# Allegro board Single PMT Data AcquisitionV_3P3.brd (continued)
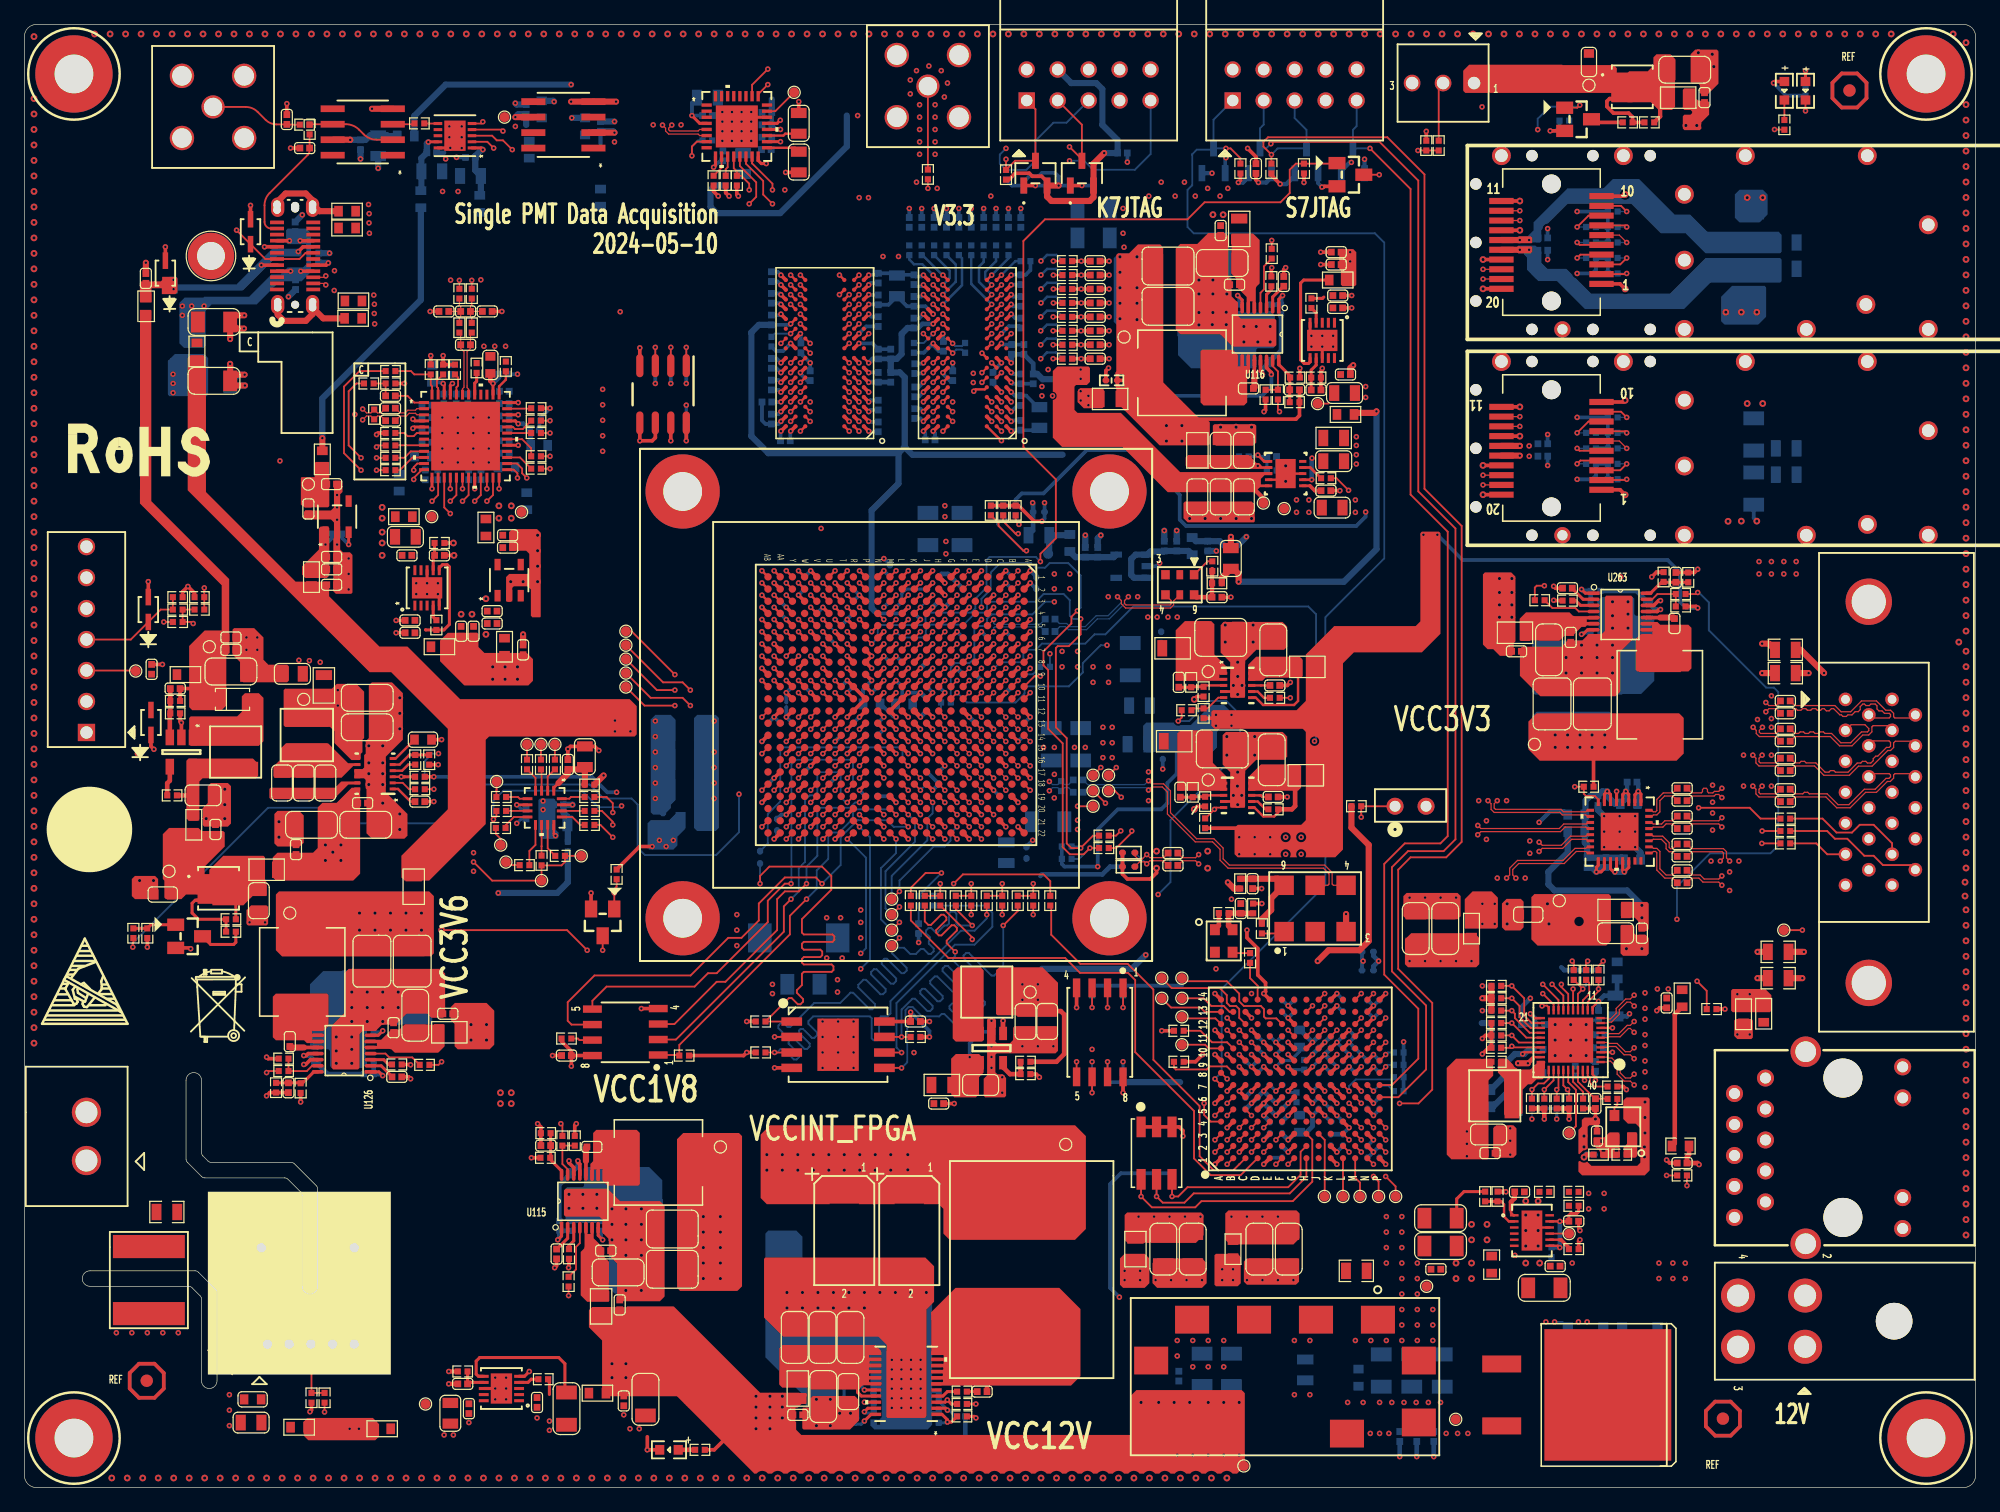
[diagram p0: board, top side]
## Routing (per net, layer and track width the routed paths; a pad name or vN(x,y) marks a point on that pad's centre or on a via; arc(x,y) is an arc through that point) (continued)
FPGA_SFP2_TX_N: length 51.6
  TOP w0.102: P4.19 v1(119.61,82.23) ; U1.B1 v1(81.48,75.19)
  ART08 w0.102: v1(81.48,75.19) 81.48,74.9 81.58,74.79 82.86,74.79 82.99,74.93 83.24,74.93 84.16,75.84 88.86,75.84 93.56,80.54 102.13,80.54 105.06,83.47 113,83.47 116.04,86.51 119.93,86.51 121,85.44 121,82.9 120.53,82.43 119.81,82.43 v1(119.61,82.23)
FPGA_SFP2_TX_P: length 51.4
  TOP w0.102: P4.18 v1(119.61,83.03) ; U1.B2 v1(81.48,74.19)
  ART08 w0.102: v1(81.48,74.19) 81.48,74.49 81.58,74.59 82.92,74.59 82.99,74.52 83.41,74.52 84.33,75.44 89.03,75.44 93.73,80.14 102.3,80.14 105.23,83.07 106.16,83.07 106.3,82.93 106.57,82.93 106.7,83.07 106.97,83.07 107.11,82.93 107.38,82.93 107.52,83.07 107.79,83.07 107.92,82.93 108.19,82.93 108.33,83.07 108.6,83.07 108.73,82.93 109.01,82.93 109.14,83.07 113.17,83.07 113.26,83.16 113.51,83.16 113.67,83.32 113.67,83.57 113.83,83.73 114.09,83.73 114.25,83.89 114.25,84.15 114.41,84.31 114.66,84.31 114.82,84.47 114.82,84.72 114.98,84.88 115.24,84.88 115.4,85.04 115.4,85.3 115.56,85.46 115.81,85.46 115.97,85.62 115.97,85.87 116.2,86.11 119.76,86.11 120.59,85.27 120.59,83.07 120.36,82.83 119.81,82.83 v1(119.61,83.03)
FPGA_SFP2_VCCR: length 1.5
  TOP w0.508: P4.15 v1(122.63,85.43)
  vias: v1(123.39,85.43)
FPGA_SFP2_VCCT: length 1.5
  TOP w0.508: P4.16 v1(122.63,84.63)
  vias: v1(123.4,84.58)
FPGA_TCK: length 60.7
  TOP w0.152: v1(80.49,108.94) R456.2 81.24,108.81 D2.3 82.91,113.04 J1.1 ; U1.K7 v1(73.48,69.19)
  ART03 w0.102: v1(83.44,90.3) 83.03,89.89 83.03,89.31 83.62,88.72 83.62,82.47 81.29,80.14 81.1,80.14 80.19,79.23 80.19,76.19 79.65,75.65 79.65,74.83 79.21,74.38 79.21,74.08 78.72,73.59 77.31,73.59 76.87,73.14 76.87,72.03 76.64,71.8 73.32,71.8 73.08,71.56 73.08,69.54 73.43,69.19 v1(73.48,69.19)
  ART08 w0.102: v1(83.44,90.3) 83.82,90.68 84.2,90.68 85.24,91.72 85.24,103.43 82.47,106.2 82.47,108.03 81.56,108.94 v1(80.49,108.94)
FPGA_TDI: length 60.2
  TOP w0.152: U1.K6 v1(73.48,70.19)
  ART03 w0.102: v1(73.48,70.19) 73.49,70.19 73.91,70.61 73.91,71.48 74.02,71.59 76.98,71.59 77.08,71.69 77.08,72.48 77.18,72.59 77.72,72.59 78.45,73.31 78.74,73.31 79.42,73.99 79.42,74.28 79.87,74.74 79.87,75.58 80.59,76.3 80.59,79.03 81.3,79.74 82.9,79.74 83.35,80.19 83.65,80.19 84.06,80.6 84.06,88.92 v1(83.44,89.53)
  ART08 w0.102: v1(85.7,108.81) 85.65,108.77 85.65,91.55 83.63,89.53 v1(83.44,89.53)
  BOTTOM w0.152: v1(85.7,108.81) D5.3 86.89,108.81 87.63,108.08 91.06,108.08 92.35,109.37 J1.9
FPGA_TDO: length 55.6
  TOP w0.152: D3.3 86.72,108.94 ; 86.72,108.94 v1(85.7,109.96) ; 86.72,108.94 86.72,111.77 J1.3 ; U1.J6 v1(74.48,70.19)
  ART03 w0.102: v1(74.48,70.19) 74.9,70.61 75.77,70.61 75.95,70.8 77.11,70.8 77.64,71.33 77.64,71.72 77.87,71.95 77.87,72.44 78.53,73.1 78.83,73.1 79.63,73.9 79.63,74.2 80.08,74.65 80.08,75.49 80.87,76.28 80.87,78.92 81.42,79.46 83.01,79.46 83.42,79.86 83.71,79.86 84.34,80.49 84.34,89.51 v1(84.31,89.53)
  ART08 w0.102: v1(85.7,109.96) 86.61,109.04 86.61,107.7 86.09,107.17 86.09,91.31 v1(84.31,89.53)
FPGA_TIMING_LVDS_EN: length 57.1
  TOP w0.152: v1(127.13,57.48) R2135.2 127.87,56.9 128.06,56.72 128.78,56.72 129.06,56.44 U271.8 ; U1.F14 v1(77.48,61.19)
  ART03 w0.102: v1(77.48,61.19) 77.48,60.95 77.98,60.45 77.98,59.99 78.18,59.8 80.64,59.8 80.92,60.08 82.04,60.08 83.3,61.35 87.01,61.35 87.68,60.68 94.76,60.68 96.16,59.28 98.66,59.28 99.29,59.92 99.97,59.92 100.48,59.41 121.94,59.41 123.87,57.48 v1(127.13,57.48)
FPGA_TMS: length 64.3
  TOP w0.152: U1.L6 v1(72.48,70.19)
  ART03 w0.102: v1(72.48,70.19) 72.48,70.19 72.87,70.58 72.87,72.24 73.28,72.64 75.56,72.64 75.95,73.03 75.95,73.37 76.24,73.66 77.07,73.66 77.21,73.8 77.85,73.8 77.98,73.92 77.98,74.42 78.23,74.68 79.12,74.68 79.32,74.88 79.32,75.62 79.78,76.08 79.78,79.4 80.93,80.55 81.12,80.55 83.21,82.64 83.21,88.72 82.78,89.15 82.78,90.53 v1(83.95,91.69)
  ART08 w0.102: v1(80.49,109.83) 79.88,109.22 79.88,108.46 80.26,108.08 81.53,108.08 82.06,107.55 82.06,106.04 84.84,103.26 84.84,97.07 84.88,97.03 84.88,92.12 84.45,91.69 v1(83.95,91.69)
  BOTTOM w0.152: J1.5 85.45,111.93 84.37,111.93 82.91,110.46 D4.3 82.16,108.07 R455.2 79.98,108.58 79.98,109.32 v1(80.49,109.83)
FPGA_TO_SFPGA_RESERVE0: length 82.2
  TOP w0.152: U88.M3 v1(109.63,28.52) ; U1.Y14 v1(62.48,61.19)
  ART03 w0.102: v1(109.63,28.52) 109.11,28.01 109.11,27.23 109.01,27.12 105.48,27.12 103.89,25.53 97.41,25.53 92.1,30.84 80.26,30.84 78.82,32.28 78.82,35.33 77.29,36.86 77.29,37.82 72.44,42.67 72.44,52.65 72.08,53.02 72.08,63.47 71.29,64.26 66.17,64.26 64.64,62.74 64.26,62.74 63.88,62.36 63.88,61.85 63.63,61.59 62.88,61.59 v1(62.48,61.19)
FPGA_TO_SFPGA_RESERVE1: length 80.8
  TOP w0.152: U1.W14 v1(63.48,61.19) ; U88.M2 v1(109.63,27.52)
  ART03 w0.102: v1(63.48,61.19) 64.11,61.19 64.9,61.98 64.9,62.36 66.55,64.01 71.25,64.01 71.87,63.38 71.87,50.05 72.16,49.76 72.16,42.56 76.86,37.86 76.86,36.73 78.38,35.2 78.38,31.83 79.68,30.53 92.01,30.53 97.32,25.22 104.09,25.22 104.99,26.12 108.54,26.12 109.63,27.21 v1(109.63,27.52)
FPGA_TO_SFPGA_RESERVE2: length 84.4
  TOP w0.152: U88.P2 v1(111.63,27.52) ; U1.W15 v1(63.48,60.19)
  ART03 w0.102: v1(111.63,27.52) 111.08,28.07 110.46,28.07 110.12,27.73 110.12,27.17 108.87,25.91 105.29,25.91 104.24,24.87 97.2,24.87 91.95,30.12 79.17,30.12 78,31.29 78,34.19 76.56,35.64 76.56,37.77 71.12,43.2 71.12,50.19 70.87,50.44 70.87,62.36 70.87,62.36 70.87,62.99 70.87,63 70.87,63.62 70.74,63.75 67.31,63.75 66.93,63.37 66.93,62.87 66.67,62.61 66.04,62.61 65.91,62.48 65.91,61.98 65.66,61.72 65.45,61.72 63.92,60.19 v1(63.48,60.19)
FPGA_TO_SFPGA_RESERVE3: length 77.2
  TOP w0.152: U88.N1 v1(110.63,26.52) ; U1.U15 v1(65.48,60.19)
  ART03 w0.102: v1(110.63,26.52) 109.53,25.43 105.82,25.43 104.7,24.31 96.78,24.31 91.73,29.36 77.83,29.36 77.11,30.07 77.11,32.51 75.77,33.86 75.77,37.53 70.56,42.73 70.56,48.46 69.44,49.58 69.44,60.89 68.74,61.59 67.31,61.59 67.06,61.34 67.06,61.09 66.67,60.71 66.29,60.71 65.78,60.19 v1(65.48,60.19)
FPGA_TO_SFPGA_RESERVE4: length 85.6
  TOP w0.152: U1.W16 v1(63.48,59.19) ; U88.P4 v1(111.63,29.52)
  ART03 w0.102: v1(111.63,29.52) 112.52,29.52 113.34,28.69 113.34,25.71 112.46,24.83 106.13,24.83 105.04,23.75 96.32,23.75 91.48,28.59 76.9,28.59 75.21,30.28 75.21,35.12 70,40.33 70,48.19 68.88,49.3 68.88,59.51 68.71,59.69 63.97,59.69 v1(63.48,59.19)
FPGA_TO_SFPGA_RESERVE5: length 82.6
  TOP w0.152: U88.P3 v1(111.63,28.52) ; U1.V15 v1(64.48,60.19)
  ART03 w0.102: v1(64.48,60.19) 64.99,60.71 65.79,60.71 66.04,60.96 66.04,61.34 66.29,61.59 66.67,61.59 67.06,61.98 67.06,62.51 67.35,62.8 68.96,62.8 69.72,62.04 69.72,49.7 70.84,48.58 70.84,43.09 76.21,37.72 76.21,34.76 77.55,33.43 77.55,30.89 78.69,29.74 91.87,29.74 97.03,24.59 104.47,24.59 105.59,25.71 109.14,25.71 110.49,27.05 111.81,27.05 112.06,27.3 112.06,28.08 v1(111.63,28.52)
FPGA_TO_SFPGA_RESERVE6: length 84.5
  TOP w0.152: U88.L3 v1(108.63,28.52) ; U1.T15 v1(66.48,60.19)
  ART03 w0.102: v1(108.63,28.52) 109.06,28.96 112.27,28.96 112.9,28.32 112.9,25.91 112.11,25.11 105.9,25.11 104.81,24.03 96.49,24.03 91.6,28.92 77.56,28.92 76.68,29.79 76.68,32.18 75.49,33.38 75.49,37.51 70.28,42.72 70.28,48.3 69.16,49.42 69.16,60.15 68.61,60.71 67.43,60.71 66.92,60.19 v1(66.48,60.19)
FPGA_TO_SFPGA_RESERVE7: length 92.5
  TOP w0.152: U88.L2 v1(108.63,27.52) ; U1.T16 v1(66.48,59.19)
  ART03 w0.102: v1(66.48,59.19) 66.92,59.19 67.52,58.59 67.77,58.59 67.87,58.49 67.87,53.02 67.87,53.02 67.87,49.39 69.44,47.81 69.44,40.3 73.79,35.95 73.79,30 75.95,27.84 91.29,27.84 95.94,23.19 105.39,23.19 106.47,24.27 113.09,24.27 114.09,25.27 114.09,29.84 113.03,30.91 108.3,30.91 108.12,30.73 108.12,28.02 v1(108.63,27.52)
FPGA_TO_SFPGA_RESERVE8: length 95.2
  TOP w0.152: U88.M5 v1(108.63,31.52) ; U1.Y16 v1(62.48,59.19)
  ART03 w0.102: v1(62.48,59.19) 62.99,58.67 64.64,58.67 64.77,58.8 66.17,58.8 66.29,58.67 66.67,58.67 67.08,58.27 67.08,52.81 67.44,52.45 67.44,49.35 69.16,47.62 69.16,40.28 73.34,36.1 73.34,29.43 75.31,27.46 91.16,27.46 95.71,22.91 105.5,22.91 106.59,23.99 113.45,23.99 114.47,25.02 114.47,30.94 113.29,32.12 109.23,32.12 v1(108.63,31.52)
FPGA_TO_SFPGA_RESERVE9: length 84.7
  TOP w0.152: U88.M4 v1(109.63,29.52) ; U1.R16 v1(67.48,59.19)
  ART03 w0.102: v1(67.48,59.19) 67.81,59.19 68.08,58.92 68.08,53.28 68.33,53.04 68.33,49.33 69.72,47.93 69.72,40.31 74.73,35.31 74.73,29.64 76.12,28.25 91.43,28.25 96.21,23.47 105.16,23.47 106.24,24.55 112.69,24.55 113.68,25.54 113.68,29.11 112.78,30.02 110.12,30.02 v1(109.63,29.52)
FPGA_VCC12V_BST_EN: length 92.7
  TOP w0.152: v1(8.89,44.32) 8.89,44.66 8.94,44.7 R2098.2 ; U1.F8 v1(77.48,68.19)
  ART08 w0.102: v1(58.6,56.87) 60.5,58.78 62.76,58.78 62.97,58.98 62.97,59.33 63.35,59.72 63.83,59.72 64.03,59.92 64.03,60.63 64.28,60.88 64.81,60.88 64.89,60.96 65.15,60.96 65.31,60.8 65.64,60.8 65.96,61.12 65.96,61.24 66.31,61.59 66.85,61.59 67.06,61.8 68.65,61.8 68.96,62.1 68.96,63.88 69.72,64.64 72.97,64.64 73.08,64.74 73.08,65.51 73.25,65.68 73.79,65.68 73.96,65.86 73.96,66.5 74.17,66.7 75.67,66.7 75.97,67.01 75.97,67.26 76.4,67.69 U1.F8 v1(77.48,68.19)
  BOTTOM w0.152: v1(8.89,44.32) 8.89,44.66 19.99,55.75 25.02,55.75 26.29,54.48 33.78,54.48 36.96,57.66 46.35,57.66 47.5,56.52 49.78,56.52 50.29,56.01 50.29,52.48 50.9,51.87 56.71,51.87 58.6,53.76 v1(58.6,56.87)
HV_CTRL: length 47.2
  TOP w0.152: TP143.1 R2132.2 44.33,51.32 44.04,51.03 R936.2 TP79.1 38.36,49.78 v1(36.83,51.31) ; v1(13.84,70.87) 13.72,70.99 R2119.1 R2169.2 R2034.2
  ART03 w0.102: v1(13.84,70.87) 19.94,64.77 26.54,64.77 31.75,59.56 31.75,56.39 v1(36.83,51.31)
HV_CTRL_OUT: length 49.7
  TOP w0.152: R2034.1 R2036.1 v1(14.75,73.79) ; J2.B6 23.06,101.26 22.56,100.76 J2.A6 19.76,100.76 CR1.1 17.4,103.12 v1(17.4,103.12)
  ART03 w0.102: v1(17.4,103.12) 16.76,103.76 10.16,103.76 8.89,102.49 8.89,79.63 14.73,73.79 v1(14.75,73.79)
HV_CTRL_RSV: length 9.1
  TOP w0.152: R2170.1 R2169.1 11.18,72.01 CR4.1 8.72,69.55 J60.4
INPUT_GND: length 6.3
  TOP w0.203: v2(124.13,21.08) 124.38,21.33 U112.10
  TOP w0.254: v1(127.56,21.08) 127.45,21.19 C1146.1
  TOP w0.381: v1(121.48,24.26) 121.47,24.28 R1063.2
  BOTTOM w0.381: C1140.2 v1(115.57,2.54) ; C1136.1 v1(112.78,2.54) ; C1145.1 v1(114.17,2.54)
  vias: v1(109.14,12.06) v1(110.41,12.06) v1(111.68,22.23) v1(111.68,20.95) v1(111.68,19.68) v1(111.68,18.41) v1(111.68,12.06) v1(112.95,22.23) v1(112.95,20.95) v1(112.95,19.68) v1(112.95,18.41) v1(112.95,17.14) v1(112.95,15.88) v1(112.95,14.61) v1(112.95,13.34) v1(112.95,12.06) v1(114.22,18.41) v1(114.22,17.14) v1(114.22,15.88) v1(114.22,14.61) v1(114.22,13.34) v1(114.22,12.06) v1(115.49,14.61) v1(115.49,13.34) v1(115.49,12.06) v2(123.11,23.5) v2(123.11,22.35) v2(123.11,21.08) v2(123.11,19.81) v2(123.11,18.41) v2(124.13,23.5) v2(124.13,22.35) v2(124.13,19.81) v2(124.25,18.41)
MGTAVCC: length 5
  TOP w0.305: U1.C6 v1(80.48,70.19) ; U1.G6 v1(76.48,70.19) ; U1.E6 v1(78.48,70.19) ; U1.A6 v1(82.48,70.19)
  BOTTOM w0.305: v1(76.48,70.19) 76.98,69.69 C427.1 ; C144.1 80.98,69.69 v1(80.48,70.19) ; C426.1 78.98,69.69 v1(78.48,70.19)
  vias: v1(85.09,68.58) v1(85.09,67.31) v1(86.36,68.58) v1(86.36,67.31)
MGTAVCC_PG: length 15.5
  TOP w0.152: U118.5 97.73,55.77 v1(97.58,55.63) 96.84,54.88 96.82,54.88 ; v1(103.81,64.77) R1115.1
  ART06 w0.114: v1(97.58,55.63) 97.58,60.37 98.17,60.96 99.06,60.96 102.87,64.77 v1(103.81,64.77)
MGTAVTT: length 8.3
  TOP w0.305: U1.A2 v1(82.48,74.19) ; U1.E2 v1(78.48,74.19) ; U1.C2 v1(80.48,74.19) ; U1.G2 v1(76.48,74.19)
  TOP w0.381: U1.H1 v1(75.48,74.19)
  BOTTOM w0.305: v1(80.48,74.19) 80.95,73.72 C431.1 ; C146.1 82.95,73.72 v1(82.48,74.19)
  BOTTOM w0.381: v1(75.48,74.19) 75.48,74.2 R165.2 75.21,74.93 75.74,74.93 v1(76.48,74.19) 76.98,73.69 C430.1
  vias: v1(84.45,74.93) v1(84.45,73.71) v1(85.72,74.93) v1(85.72,73.71)
MGTAVTT_PG: length 53
  TOP w0.152: v1(94.61,62.87) 94.9,63.15 R1116.2 ; U1.N17 v1(70.48,58.19)
  ART08 w0.102: v1(92.96,48.64) 91.82,49.78 86.26,49.78 83.35,52.69 82.42,52.69 80.95,54.16 80.95,54.36 80.06,55.24 80.01,55.24 79.46,55.8 78.31,55.8 77.98,56.13 77.98,56.39 77.86,56.52 77.86,56.97 76.24,58.59 73.74,58.59 73.66,58.67 70.96,58.67 v1(70.48,58.19)
  BOTTOM w0.152: v1(92.96,48.64) 93.98,49.66 93.98,54.74 98.3,59.05 98.55,59.05 99.69,60.2 99.69,63.37 98.55,64.52 97.16,64.52 95.5,62.87 v1(94.61,62.87)
MGTVCCAUX: length 3.3
  BOTTOM w0.508: TP146.1 84.03,76.67 L287.2 85.66,78.11 L289.2
NC_GNDADC_R: length 1.4
  TOP w0.152: U88.F7 v1(102.63,32.52)
  BOTTOM w0.254: R791.1 102.12,33.02 v1(102.63,32.52)
NC_VREFN_R: length 1.4
  TOP w0.305: U88.G7 v1(103.63,32.52)
  BOTTOM w0.254: R790.1 103.74,32.4 v1(103.63,32.52)
NC_VREFP_R: length 1.4
  TOP w0.305: U88.H8 v1(105.63,34.52)
  BOTTOM w0.254: R789.1 106.12,35.02 v1(105.63,34.52)
PLL_OS0: length 1.6
  TOP w0.152: U267.11 57.67,108.29 57.51,108.12 R2104.2
PLL_OS1: length 1.8
  TOP w0.152: U267.10 57.17,108.24 R2105.1
PMT_CHANNEL_SELECT_1: length 21.7
  TOP w0.152: J78.6 v1(91.57,23.88) 92.46,22.99 96.01,22.99 96.52,23.5 104.01,23.5 105.61,25.09 105.61,28.53 U88.H3
  BOTTOM w0.152: R2156.2 v1(91.57,23.88)
PMT_CHANNEL_SELECT_2: length 17.2
  TOP w0.152: U88.H1 105.13,25.5 103.76,24.13 95.89,24.13 95.12,23.37 93.34,23.37 v1(92.84,23.88) J78.5
  BOTTOM w0.152: R2155.2 v1(92.84,23.88)
PMT_CHANNEL_SELECT_3: length 16.1
  TOP w0.152: J78.4 v1(94.11,23.88) 94.61,23.88 95.38,24.64 103.63,24.64 104.65,25.65 104.65,27.54 U88.H2
  BOTTOM w0.152: R2154.2 v1(94.11,23.88)
QSPI_CLK: length 22.3
  TOP w0.152: v1(71.93,35.68) 71.92,35.68 U7.6
  BOTTOM w0.152: v1(71.93,35.68) 71.51,36.1 71.51,39.74 76.3,44.53 77.9,44.53 79.37,45.99 79.37,47.14 78.78,47.73 74.6,47.73
QSPI_CS_B: length 39.5
  TOP w0.152: v1(60.33,49.53) 60.33,50.16 61.09,50.93 65.4,50.93 66.17,50.16 66.17,49.03 63.76,46.62 63.76,45.52 63.91,45.37 66.26,45.37 66.41,45.21 66.41,44.91 66.26,44.76 63.91,44.76 63.76,44.6 63.76,44.27 63.91,44.12 65.27,44.12 65.42,43.97 65.42,43.66 65.27,43.51 63.91,43.51 63.76,43.36 63.76,43.06 63.91,42.9 66.19,42.9 66.34,42.75 66.34,42.45 66.19,42.29 63.91,42.29 63.76,42.14 63.76,41.21 63.34,40.8 63.34,40.58 63.85,40.07 63.85,39.85 63.64,39.64 63.42,39.64 62.91,40.15 62.69,40.15 R496.2 60.78,38.22 U7.1
  BOTTOM w0.152: R502.2 v1(60.33,49.53)
QSPI_CS_B_R: length 21.3
  TOP w0.152: U1.L16 v1(72.48,59.19)
  BOTTOM w0.152: R502.1 60.96,52.83 60.96,55.24 61.98,56.26 61.98,60.45 62.23,60.71 71.75,60.71 72.01,60.45 72.01,59.66 v1(72.48,59.19)
QSPI_MISO0: length 37.1
  TOP w0.152: U7.5 71.92,34.42 v1(71.93,34.42) ; v1(80.26,46.1) 81.45,47.29 81.45,47.73
  BOTTOM w0.152: v1(71.93,34.42) 72.39,34.88 72.39,37.72 72.25,37.86 72.25,39.16 72.5,39.41 72.85,39.41 73.61,38.65 75.02,38.65 75.22,38.84 75.43,38.84 76.6,37.67 76.82,37.67 77.03,37.89 77.03,38.1 75.86,39.27 75.86,39.49 76.08,39.71 76.29,39.71 77.46,38.53 77.68,38.53 77.9,38.75 77.9,38.96 76.72,40.14 76.72,40.35 76.94,40.57 77.16,40.57 78.33,39.4 78.54,39.4 78.76,39.61 78.76,39.83 77.59,41 77.59,41.21 78.3,41.92 78.3,42.14 77.01,43.42 77.01,43.64 77.23,43.85 77.44,43.85 79.31,41.99 79.52,41.99 80.26,42.73 v1(80.26,46.1)
QSPI_MISO1: length 44.6
  TOP w0.152: v1(61.52,36.97) 61.52,36.96 U7.2 ; 76.37,47.73 76.37,47.45 v1(77.72,46.1)
  BOTTOM w0.152: v1(61.52,36.97) 61.99,36.97 62.15,37.13 62.15,37.35 61.82,37.67 61.82,37.89 62.04,38.1 62.26,38.1 62.58,37.78 62.8,37.78 64.77,39.75 66.89,39.75 67.73,40.59 67.95,40.59 69.31,39.23 69.53,39.23 69.74,39.44 69.74,39.66 68.38,41.02 68.38,41.24 68.79,41.65 69.01,41.65 70.19,40.46 70.41,40.46 70.62,40.68 70.62,40.9 69.44,42.08 69.44,42.29 69.65,42.51 69.87,42.51 71.05,41.33 71.27,41.33 71.48,41.54 71.48,41.76 70.3,42.94 70.3,43.16 70.52,43.37 70.73,43.37 71.92,42.19 72.13,42.19 72.35,42.4 72.35,42.62 71.16,43.8 71.16,44.02 71.41,44.27 72.13,44.27 72.63,43.77 73.11,43.77 73.52,44.18 73.73,44.18 74.14,43.77 74.35,43.77 74.57,43.99 74.57,44.21 74.16,44.61 74.16,44.83 74.26,44.92 74.26,45.13 73.93,45.46 73.93,45.68 74.14,45.89 74.36,45.89 74.69,45.57 74.9,45.57 75.44,46.1 75.66,46.1 75.82,46.25 75.82,47.08 75.97,47.23 76.27,47.23 76.43,47.08 76.43,46.25 76.58,46.1 v1(77.72,46.1)
QSPI_MISO2: length 37
  TOP w0.152: 78.91,47.73 v1(78.91,46.99) ; R497.2 v1(61.52,35.69) 61.52,35.68 U7.3
  BOTTOM w0.152: v1(61.52,35.69) 61.72,35.69 62.02,35.98 62.23,35.98 63.1,35.11 63.32,35.11 63.53,35.33 63.53,35.54 62.66,36.41 62.66,36.63 62.88,36.84 63.1,36.84 63.96,35.98 64.18,35.98 64.4,36.19 64.4,36.41 63.53,37.28 63.53,37.49 63.64,37.6 63.85,37.6 64.57,36.89 64.78,36.89 65,37.11 65,37.32 64.29,38.03 64.29,38.25 64.68,38.65 69.33,38.65 69.48,38.49 69.48,36.84 69.63,36.69 69.94,36.69 70.09,36.84 70.09,38.49 70.24,38.65 70.78,38.65 71.02,38.88 71.02,39.89 76.8,45.67 77.9,45.67 78.91,46.68 v1(78.91,46.99)
QSPI_MISO3: length 35.6
  TOP w0.152: R498.2 v1(71.93,36.96) 71.92,36.96 U7.7 ; v1(76.33,43.94) 75.63,44.64 75.63,44.85 76.46,45.69 76.46,45.9 76.25,46.12 76.03,46.12 75.2,45.29 74.98,45.29 74.77,45.5 74.77,45.72 75.6,46.55 75.6,46.77 75.39,46.98 75.17,46.98 74.34,46.15 74.12,46.15 73.83,46.44 73.83,47.73
  BOTTOM w0.152: v1(76.33,43.94) 76.33,43.6 76.15,43.43 76.15,43.22 77.53,41.84 77.53,41.63 77.32,41.41 77.1,41.41 75.72,42.79 75.51,42.79 75.29,42.57 75.29,42.35 76.67,40.98 76.67,40.76 76.45,40.55 76.24,40.55 74.86,41.92 74.65,41.92 74.28,41.55 74.28,41.34 75.3,40.32 75.3,40.1 75.08,39.88 74.87,39.88 73.84,40.91 73.63,40.91 73.46,40.74 73.46,40.52 74.48,39.51 74.48,39.29 74.26,39.08 74.04,39.08 73.03,40.09 72.81,40.09 71.93,39.21 71.93,36.96 v1(71.93,36.96)
RF_ENABLE: length 76.1
  TOP w0.152: U1.H13 v1(75.48,62.19) ; v1(137.29,55.75) 141.48,55.75 142.37,54.86 R2124.2
  ART03 w0.102: v1(137.29,55.75) 136.65,56.39 129.16,56.39 128.65,56.9 123.95,56.9 121.79,59.05 100.33,59.05 99.82,59.56 99.44,59.56 98.81,58.93 96.01,58.93 94.61,60.33 87.68,60.33 87.44,60.08 82.33,60.08 82.12,59.87 81.01,59.87 80.72,59.59 78.25,59.59 77.98,59.31 77.98,58.93 77.72,58.67 76.07,58.67 75.95,58.8 75.95,61.72 v1(75.48,62.19)
RF_FAULT: length 81.8
  TOP w0.152: R2125.2 v1(142.47,52.83) ; U1.H14 v1(75.48,61.19)
  ART03 w0.102: v1(142.47,52.83) 142.22,53.09 138.64,53.09 133.97,48.42 119.19,48.42 115.28,52.32 111.71,52.32 110.05,53.98 93.79,53.98 93.07,54.69 89.74,54.69 88.11,53.06 85.53,53.06 84.79,53.8 79.78,53.8 79.02,54.56 79.02,55.37 78.71,55.68 78.11,55.68 77.95,55.83 77.95,56.39 77.57,56.77 75.21,56.77 75.01,56.97 75.01,60.72 v1(75.48,61.19)
RF_FPS_TRIGGER_N: length 59.3
  TOP w0.102: v1(119.18,53.54) 119.43,53.8 125.96,53.8 126.34,54.17 128.05,54.17 128.17,54.05 U271.12 ; U1.C15 v1(80.48,60.19)
  ART08 w0.102: v1(80.48,60.19) 80.67,60.38 82.68,60.38 83.17,59.89 87.88,59.89 88.26,60.27 90.21,60.27 90.31,60.17 90.31,59.65 90.65,59.31 91.4,59.31 91.74,59.65 91.74,60.17 91.84,60.27 93.96,60.27 95.15,59.09 95.15,58.95 94.91,58.71 94.91,58.23 95.44,57.7 95.92,57.7 96.16,57.94 96.3,57.94 99.15,55.09 101.11,55.09 101.45,55.43 101.45,55.88 101.55,55.98 101.96,55.98 102.06,55.88 102.06,55.43 102.4,55.09 104.56,55.09 104.94,55.47 110.99,55.47 112.74,53.72 113.57,53.72 113.94,54.09 114.49,54.09 114.86,53.72 116.43,53.72 116.77,54.06 116.77,55.3 116.87,55.4 117.27,55.4 117.37,55.3 117.37,54.06 117.71,53.72 119,53.72 v1(119.18,53.54)
RF_FPS_TRIGGER_N_C: length 23.1
  TOP w0.102: 136.34,54.05 136.72,54.43 138.94,54.43 v1(139.19,54.18)
  ART03 w0.102: v1(139.19,54.18) 139.37,54.36 139.61,54.36 139.81,54.15 140.02,54.15 140.22,54.36 140.42,54.36 140.63,54.15 140.83,54.15 141.03,54.36 141.22,54.36 141.37,54.36 141.48,54.36 141.64,54.52 141.64,54.66 141.64,54.77 142.21,55.35 142.58,55.35 142.92,55.69 142.92,56.03 143.02,56.13 143.43,56.13 143.53,56.03 143.53,55.69 143.87,55.35 144.61,55.35 144.95,55.69 144.95,56.03 145.05,56.13 145.46,56.13 145.56,56.03 145.56,55.69 145.9,55.35 146.05,55.35 146.15,55.24 146.15,55.22 146.25,55.12 146.46,55.12 146.56,55.22 146.56,55.24 146.66,55.35 146.86,55.35 146.97,55.24 146.97,55.22 147.07,55.12 147.27,55.12 147.37,55.22 147.37,55.24 147.47,55.35 147.68,55.35 147.78,55.24 147.78,55.22 147.88,55.12 148.08,55.12 148.19,55.22 148.19,55.24 148.29,55.35 149.64,55.35 149.98,55.69 150.13,55.69 150.16,55.66 150.3,55.66 150.44,55.8 150.44,55.95 150.41,55.97 150.41,56.12 150.89,56.59 151.69,56.59 152.57,55.72 152.57,55.5 152.46,55.4 151.6,55.4 J75.8
RF_FPS_TRIGGER_P: length 59.8
  TOP w0.102: U271.11 128.18,54.55 128.06,54.42 126.23,54.42 125.86,54.05 119.43,54.05 v1(119.18,54.31) ; U1.C14 v1(80.48,61.19)
  ART08 w0.102: v1(119.18,54.31) 119,54.13 117.88,54.13 117.78,54.23 117.78,55.46 117.44,55.8 116.7,55.8 116.36,55.46 116.36,54.23 116.26,54.13 115.03,54.13 114.66,54.5 113.77,54.5 113.4,54.13 112.91,54.13 111.16,55.88 104.78,55.88 104.39,55.5 102.57,55.5 102.47,55.6 102.47,56.05 102.13,56.39 101.39,56.39 101.05,56.05 101.05,55.6 100.94,55.5 99.31,55.5 96.47,58.35 95.99,58.35 95.75,58.11 95.61,58.11 95.32,58.4 95.32,58.54 95.56,58.78 95.56,59.26 95.23,59.58 95.23,59.76 95.04,59.96 94.85,59.96 94.66,60.16 94.66,60.34 94.46,60.53 94.28,60.53 94.13,60.68 93.72,60.68 93.57,60.83 93.31,60.83 93.16,60.68 91.67,60.68 91.33,60.34 91.33,59.82 91.23,59.72 90.82,59.72 90.72,59.82 90.72,60.34 90.38,60.68 88.1,60.68 87.72,60.3 83.34,60.3 82.85,60.79 80.88,60.79 v1(80.48,61.19)
RF_FPS_TRIGGER_P_C: length 23.1
  TOP w0.102: 136.34,55.07 136.72,54.69 138.94,54.69 v1(139.19,54.94)
  ART03 w0.102: v1(139.19,54.94) 139.37,54.76 141.06,54.76 142.05,55.75 142.41,55.75 142.51,55.85 142.51,56.2 142.85,56.54 143.59,56.54 143.93,56.2 143.93,55.85 144.04,55.75 144.44,55.75 144.54,55.85 144.54,56.2 144.88,56.54 145.63,56.54 145.97,56.2 145.97,55.85 146.07,55.75 148.59,55.75 148.74,55.91 149.63,55.91 150.72,57 151.86,57 152.97,55.89 152.97,55.5 153.07,55.4 154.7,55.4 J75.21
RF_MOD_IN_FIXED_N: length 55.9
  TOP w0.102: U271.14 128.18,53.05 128.06,53.17 126.88,53.17 126.14,52.43 124.46,52.43 v1(124.21,52.17) ; U1.A16 v1(82.48,59.19)
  ART08 w0.102: v1(82.48,59.19) 82.18,59.19 82.08,59.09 82.08,58.95 82.24,58.79 82.72,58.79 82.74,58.78 83.3,58.78 83.63,59.11 85.07,59.11 85.23,58.94 85.38,58.94 86.41,57.91 89.8,57.91 91.19,56.52 91.19,55.88 92.61,54.45 98.14,54.45 98.24,54.36 105.6,54.36 107.23,52.73 107.53,52.73 107.64,52.83 107.64,53.43 107.98,53.77 108.72,53.77 109.06,53.43 109.06,52.83 109.16,52.73 109.75,52.73 109.85,52.83 109.85,53.16 110.19,53.5 110.93,53.5 111.27,53.16 111.27,52.83 111.5,52.6 121.89,52.6 122.91,51.59 124.3,51.59 124.74,52.02 124.74,52.16 124.55,52.35 124.38,52.35 v1(124.21,52.17)
RF_MOD_IN_FIXED_N_C: length 23.5
  TOP w0.102: v1(139.06,51.38) 139.32,51.64 139.32,52.04 139.22,52.15 136.72,52.15 136.34,51.77
  ART03 w0.102: v1(139.06,51.38) 139.24,51.56 139.24,51.99 139.6,52.35 139.72,52.35 139.93,52.55 140.13,52.55 140.33,52.35 140.54,52.35 140.74,52.55 140.94,52.55 141.15,52.35 141.39,52.35 141.48,52.26 141.63,52.26 141.77,52.26 141.92,52.11 141.92,51.97 141.92,51.83 142.46,51.28 143.09,51.28 143.19,51.38 143.19,51.68 143.53,52.02 144.27,52.02 145.01,51.28 145.31,51.28 145.41,51.38 145.41,51.93 145.75,52.27 146.5,52.27 146.84,51.93 146.84,51.38 146.94,51.28 147.55,51.28 147.86,51.59 147.86,52.33 147.98,52.45 147.98,52.6 148.19,52.82 148.35,52.82 148.56,53.03 148.56,53.18 148.77,53.39 148.92,53.39 149.66,53.39 150.2,53.93 150.2,54.19 150.36,54.34 150.47,54.34 150.62,54.34 150.81,54.54 150.81,54.69 150.71,54.79 149.63,54.79 J75.9
RF_MOD_IN_FIXED_P: length 58
  TOP w0.102: U271.13 128.17,53.55 128.05,53.42 126.78,53.42 126.03,52.68 124.46,52.68 v1(124.21,52.93) ; U1.B16 v1(81.48,59.19)
  ART08 w0.102: v1(124.21,52.93) 124.38,52.76 124.72,52.76 125.14,52.33 125.14,51.85 124.47,51.18 122.74,51.18 121.73,52.2 111.33,52.2 110.86,52.66 110.86,52.99 110.76,53.09 110.36,53.09 110.25,52.99 110.25,52.66 109.91,52.32 108.99,52.32 108.65,52.66 108.65,53.26 108.55,53.37 108.14,53.37 108.04,53.26 108.04,52.66 107.7,52.32 107.06,52.32 105.44,53.95 98.07,53.95 97.97,54.05 92.44,54.05 90.78,55.71 90.78,56.35 89.63,57.51 88.84,57.51 88.73,57.39 88.43,57.39 88.32,57.51 88.03,57.51 87.92,57.39 87.62,57.39 87.51,57.51 87.21,57.51 87.1,57.39 86.81,57.39 86.7,57.51 86.24,57.51 85.09,58.66 85.09,58.8 84.99,58.9 83.72,58.9 83.39,58.57 82.65,58.57 82.64,58.59 82.15,58.59 81.88,58.86 81.88,59.09 81.77,59.19 v1(81.48,59.19)
RF_MOD_IN_FIXED_P_C: length 23.4
  TOP w0.102: v1(139.83,51.38) 139.57,51.64 139.57,52.15 139.32,52.4 136.72,52.4 136.34,52.78
  ART03 w0.102: J75.22 152.84,54.79 151.43,54.79 151.32,54.69 151.32,54.48 149.83,52.98 149.09,52.98 148.27,52.16 148.27,51.42 147.72,50.87 146.77,50.87 146.43,51.21 146.43,51.76 146.33,51.86 145.92,51.86 145.82,51.76 145.82,51.21 145.48,50.87 144.84,50.87 144.1,51.61 143.7,51.61 143.59,51.51 143.59,51.21 143.25,50.87 142.29,50.87 141.22,51.94 139.77,51.94 139.65,51.83 139.65,51.56 v1(139.83,51.38)
RF_MOD_IN_VARIABLE_N: length 58.6
  TOP w0.102: U271.16 128.17,52.05 128.04,52.17 127.25,52.17 126.26,51.18 122.53,51.18 122.05,50.69 122.05,50.24 v1(122.3,49.99) ; U1.D14 v1(79.48,61.19)
  ART08 w0.102: v1(122.3,49.99) 122.12,50.16 122.12,50.6 121.51,51.21 114.99,51.21 114.77,51.43 113.69,51.43 113.47,51.21 112.96,51.21 112.74,51.43 111.66,51.43 111.44,51.21 106.85,51.21 105.12,52.93 98.07,52.93 97.66,53.34 86.05,53.34 82.62,56.77 82.19,56.77 81.55,57.4 81.41,57.4 81.07,57.74 81.07,58.44 80.72,58.79 80.02,58.79 79.08,59.73 79.08,61.09 79.18,61.19 v1(79.48,61.19)
RF_MOD_IN_VARIABLE_N_C: length 21.8